# Altium PCB Tracker.PcbDoc (part 2 of 2)
Units mil, origin at the board's own origin, x right, y up, seen from the top; angles counter-clockwise.
Board outline 1769.82 x 1209.03 mil, 4 copper layers (Top Layer, Int1 (GND), Int2 (PWR), Bottom Layer), stack 53.912 mil thick; 87 components, 60 nets, 305 pads, 203 vias.
Unrouted connection lines stored in the file: 5.
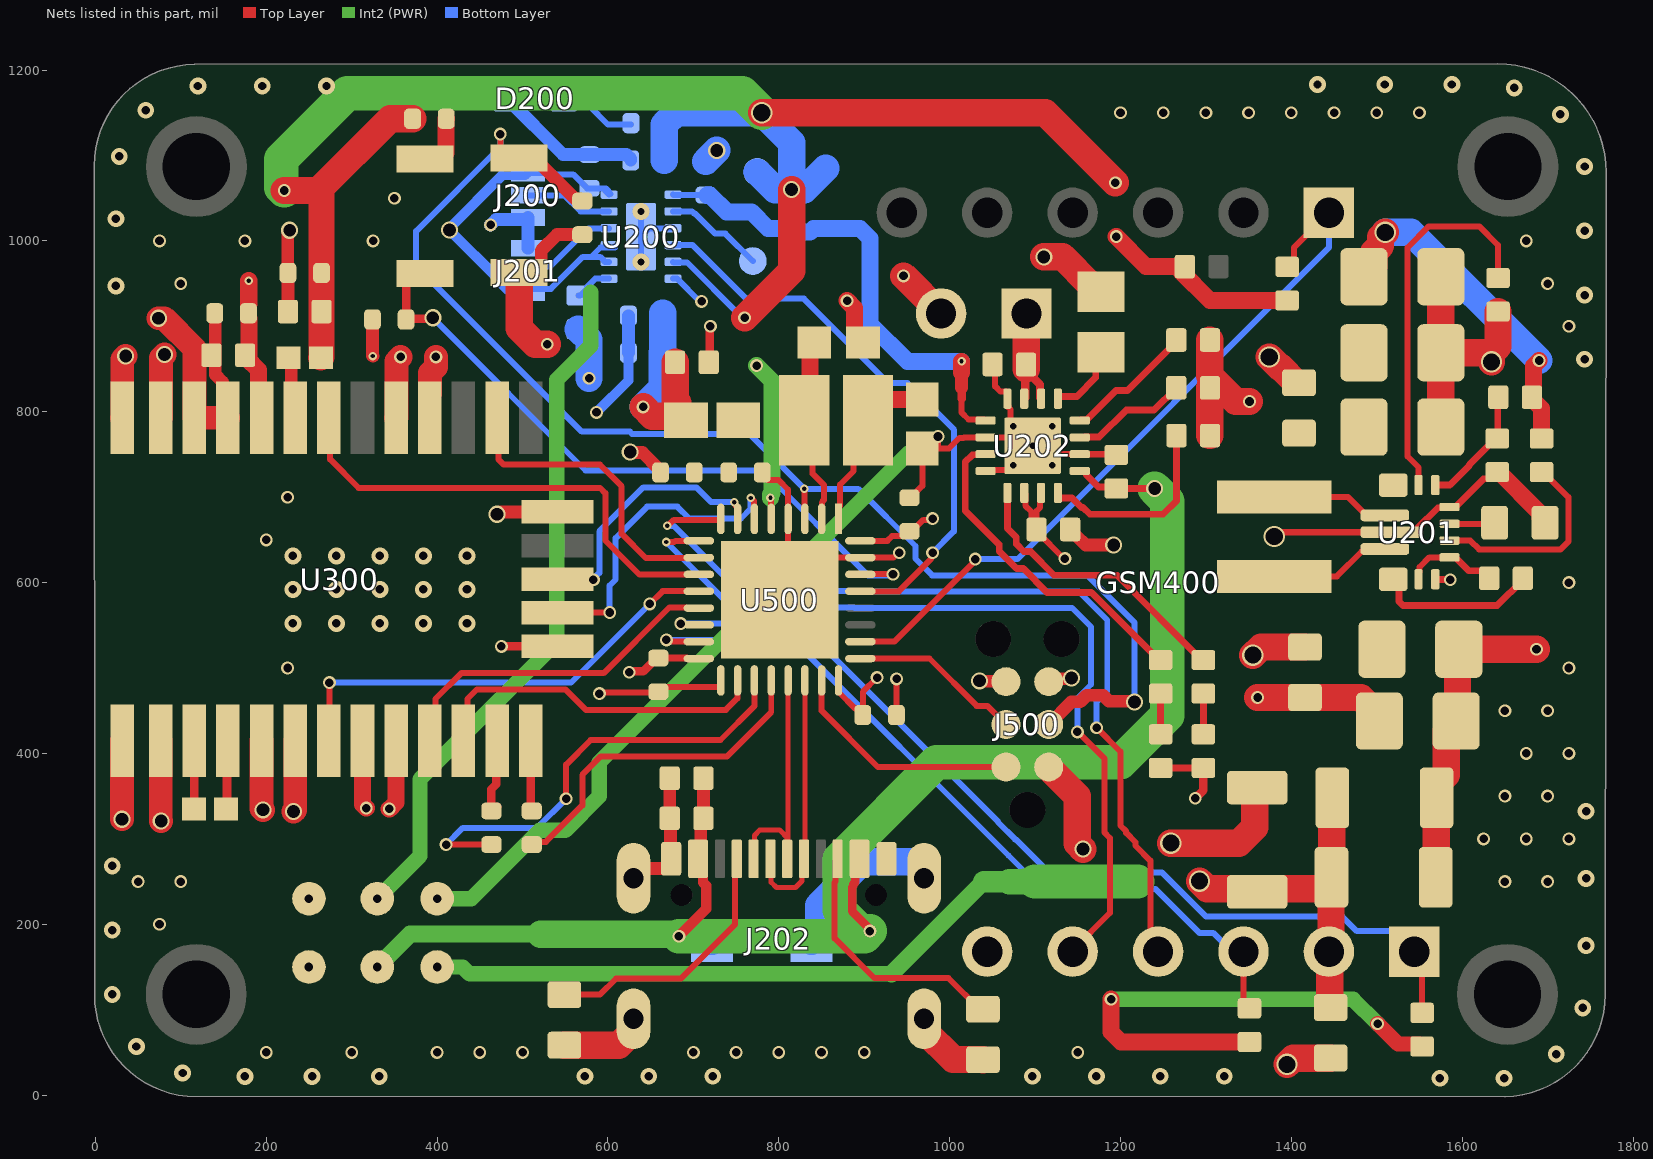
[diagram p4: the nets of this part, all layers, seen from the top]

## Via types
v1: diameter 15, hole 10, Top Layer to Bottom Layer, 104 vias
v2: diameter 19.68, hole 9.84, Top Layer to Bottom Layer, tented both sides, 38 vias
v3: diameter 20, hole 15, Top Layer to Bottom Layer, 21 vias
v4: diameter 20, hole 10, Top Layer to Bottom Layer, 15 vias
v5: diameter 10, hole 5, Top Layer to Bottom Layer, 9 vias
v6: diameter 25, hole 20, Top Layer to Bottom Layer, 9 vias
v7: diameter 19.68, hole 7.87, Top Layer to Bottom Layer, 7 vias

## Nets (pads, with @x,y where several pads share a name; then routed paths per layer and width w, separated by ;. In a path a pad name is that pad's centre, name@x,y a point inside that pad or via, vN(x,y) a via of type N, cw(c..) or ccw(c..) an arc to the next point about the centre after c; other vN are vias at no path point) (continued)
GND: BT200.2 C200.1 C201.1 C202.1 C203.2 C204.2 C205.2 C206.2 C207.2 C208.1 C209.1 C210.1 C211.1 C212.1 C213.1 C214.1 C215.1 C216.2 C217.2 C300.2 C301.1 C302.2 C303.1 C400.1 C401.1 C402.1 C403.1 C500.2 C501.2 C502.2 C503.1 C504.2 C505.2 C506.2 C507.2 C508.2 D200.K D201.2 GND.1 GSM400.6 J200.3 J201.3 J202.A1B12 J202.B1A12 J202.SH J500.5 J500.6 R204.1 R207.1 R209.1 R210.2 R212.1 R213.1 R214.1 R501.1 RT200.2 S501.1 U200.3 U200.13 U201.4 U201.10 U201.15 U202.4 U202.6 U202.8 U202.14 U202.17 U300.4 U300.5 U300.10 U300.11 U300.12 U300.13 U300.14 U300.15 U300.18 U300.19 U300.21 U300.22 U300.27 U300.31 U500.4 U500.16 U500.31 U500.33 | length 5445.2
  Top Layer w7: C508.2@780.68,726 786.68,720 799.87,720 810.83,709.04 U500.4@810.84,674.54 U500.33@810.84,589.84 ; U500.33@801,580 U500.33@810.84,589.84 ; C507.2@937.68,445 937.82,445.13 937.82,487.05 v1(937.95,487.18) ; v1(941,634.93) 939.93,634.93 934.21,629.21 U500.31@895.54,629.21 850.21,629.21 U500.33@810.84,589.84 ; C504.2@953,699.37 954.2,699.37 968,713.17 C501.2@968,757 C501.2@986.35,757 ; v1(986.35,771) C501.2@986.35,757 ; U202.8@1042.05,730.64 1049.39,730.64 1050.36,731.61 1068.61,731.61 v7(1074.33,737.33) ; C217.2@1050.31,850 1053.19,847.13 1053.19,829.82 1059.57,823.44 1066.41,823.44 1067.64,822.21 1067.64,808.2 1068.86,806.97 1068.86,805.11 1071.1,802.87 1071.1,799.87 1071.34,799.64 1071.34,785.99 v7(1074.33,783) ; v7(1097.17,760.17) 1087.32,770.01 U202.6@1042.05,770.01 1041.55,770.5 1034,770.5 1033.73,770.24 1033.73,770.01 1016.77,770.01 1016.23,769.47 1011.47,769.47 999,757 C501.2@986.35,757 ; U202.17@1120,743.59 1126.74,750.32 U202.14@1152.29,750.32
  Top Layer w8: C506.2@659,511.68 692.15,511.68 692.73,511.1 U500.16@706.46,511.1 ; U202.14@1152.29,750.32 1194.38,750.32 C215.1@1195.17,749.54 ; v6@1376,655 1379,655 v6(1380,654) 1384.6,654 1389.6,659 U201.10@1516.38,659 1544.92,659 1547.81,661.89 1547.81,663.93 1571.49,687.61 1577.46,687.61 1578.39,688.53 U201.4@1585.28,688.53 1592.17,688.53 1625.14,721.5 1633.19,721.5 R204.1@1641,729.32 ; U201.15@1568.54,603.88 1568.81,603.61 1585.73,603.61 v1(1586,603.35)
  Top Layer w10: v1(475.26,525.26) U300.27@541.01,525.26 ; v1(625,495) 625.96,495.96 641.3,495.96 657.03,511.68 C506.2@659,511.68 ; C503.1@718,858 719,859 719,899 v1(720,900)
  Top Layer w11.81: C217.2@1050.36,861.48 C217.2@1051.15,860.69
  Top Layer w15: C302.2@140.32,909 140.32,843.57 148.9,834.98 148.9,799.26 U300.10@155.18,792.98 ; C301.1@225.32,915 C300.2@225.32,961.15 ; C300.2@225.39,966.75 225.24,966.91 225.24,1008.93 227.44,1011.14 v3(227.44,1012.49) ; R501.1@324.32,908 324.32,865.65 v5(324.8,865.16) ; v3(470,680) 471.35,680 474.09,682.74 U300.31@541.01,682.74 ; S501.1@496,963.07 513.72,963.07 521.96,971.32 521.96,989.04 540.24,1007.32 C502.2@570,1007.32 ; v3(626.01,752.79) 626.59,752.21 640.39,752.21 659.29,733.31 659.29,731.34 C505.2@661.63,729 ; J202.SH@629.92,253.96 J202.SH@629.92,253.96 641.18,265.28 669.7,265.28 674.02,269.59 J202.A1B12@674.02,276.6 673.17,277.45 673.17,323.15 C213.1@672.32,324 C214.1@672.32,371 ; v3(1035,485) 1035.5,484.5 1065.5,484.5 J500.6@1066,484 ; J500.5@1116,484 1119.53,487.53 1140.52,487.53 1141.47,488.48 v3(1142.83,488.48) ; C216.2@1141.17,662.17 1141.17,660.2 1145.48,655.89 1147.45,655.89 1159.33,644 v3(1192,644)
  Top Layer w20: U300.21@312.66,415.02 312.66,340.34 v1(317,336) ; v1(344,335) 344.5,335 352.03,342.53 U300.22@352.03,415.02 ; v1(880,930) 888.76,921.24 888.76,889.86 897.63,881 C500.2@898.58,881 ; R204.1@1642.97,729.32 1691.31,680.98 1691.31,675.75 C212.1@1697.06,670
  Top Layer w28: v3(31,323) 31.17,323.17 U300.14@31.17,415.02 ; U300.13@31.17,792.98 31.39,793.2 31.39,861.11 v3(35.43,865.16) ; v3(73.82,909.45) 80.55,909.45 115.81,874.19 U300.11@115.81,792.98 U300.10@155.18,792.98 ; U300.15@76.44,415.02 76.44,321.56 v3(77,321) ; U300.12@76.44,792.98 76.66,793.2 76.66,863.08 v3(80.71,867.13) ; U300.18@194.55,415.02 194.55,335.45 v3(196,334) ; v3(232,332) 233.92,333.92 U300.19@233.92,415.02 ; U300.5@352.03,792.98 352.25,793.2 352.25,859.14 v1(357.28,864.17) ; U300.4@391.62,821.3 391.62,845.48 398.62,852.48 v1(398.62,864.17)
  Top Layer w32: S501.1@496,963.07 496,897.75 514.75,879 v1(529,879) ; R213.1@549,58.47 612.75,58.47 629.92,75.64 J202.SH@629.92,89.4 ; v1(946,959) BT200.2@990,915 ; J202.SH@970.08,89.4 970.08,75.64 1004,41.72 1038.75,41.72 R212.1@1039,41.47 ; v3(1110.24,981.3) 1132.2,981.3 1165.44,948.06 1169.38,948.06 RT200.2@1177,940.43 ; v6(1259,295) 1338.25,295 1357,313.75 1357,357.05 C402.1@1360,360.05 ; R210.2@1304.69,828 1304.68,772.33 R207.1@1304.85,772.17 ; R209.1@1304.68,884 1304.68,842.32 1335,812 v1(1351,812) ; v6(1355,515) 1364.53,524.53 C202.1@1416,524.53 ; v6(1374.17,864.17) 1386.33,852 1387.57,852 C208.1@1405.31,834.25 ; v6(1395,36) 1402.22,43.22 1445.75,43.22 C403.1@1446,43.47 ; C401.1@1569.02,255 1569.52,255.5 1569.52,363.25 1581.44,375.17 1581.44,426.44 C201.1@1593,438 1594.5,439.5 1594.5,520.5 C200.1@1596,522 v1(1687,522) ; C209.1@1575,782 C210.1@1575,869 ; C211.1@1575,958 C210.1@1575,869 ; v6(1634.36,858.36) v6@1634.36,869 ; R214.1@1642,917.32 1642,876.44 1634.56,869 v6@1634.36,869 ; C210.1@1575,869 v6@1634.36,869
  Bottom Layer w7: v7(638.78,975.39) U200.13@638.78,1004.92 ; v7(638.78,1034.45) U200.13@638.78,1004.92 ; U200.3@676.18,1014.76 648.62,1014.76 U200.13@638.78,1004.92
  Bottom Layer w12: v1(586.61,799.21) 624.02,836.61 C205.2@624.02,869.09
  Bottom Layer w15: v1(462.6,1018.7) 469.1,1025.21 504.3,1025.21 J200.3@506.4,1027.31 J201.3@506.4,991.34 ; D200.K@481.54,1167 547.54,1100.99 C203.2@578.4,1100.99 621.87,1100.99 626.72,1096.15 C206.2@626.72,1094.31 ; C205.2@624.02,869.09 C207.2@624.02,912.4
  Bottom Layer w32: C204.2@714.4,1092.99 v3(727.41,1106) ; D201.2@838.07,180 838.66,180 846.68,188.02 846.68,222.04 897.71,273.07 966.67,273.07 970.08,269.67 J202.SH@970.08,253.96
  other v1: 200,50 300,50 400,50 450,50 500,50 700,50 750,50 800,50 850,50 900,50 1150,50 250,150 75,200 50,250 100,250 1650,250 1700,250 1625,300 1675,300 1725,300 1650,350 1700,350 1675,400 1725,400 1650,450 1700,450 225,500 1725,500 1725,600 200,650 225,700 1725,900 100,950 1700,950 75,1000 175,1000 325,1000 1675,1000 350,1050 1200,1150 1250,1150 1300,1150 1350,1150 1400,1150 1450,1150 1500,1150 1550,1150
  other v2: 1573.86,19.68 1649.11,19.68 175,21.89 253.67,21.89 332.33,21.89 573,22.12 647.84,22.12 722.69,22.12 1096.91,22.12 1171.75,22.12 1246.59,22.12 1321.44,22.12 102.12,25.89 1710.11,48 48,56.89 1741.11,102.12 19.68,117.89 1745.11,175 19.68,193.14 1745.11,253.67 19.68,268.39 1745.11,332.33 1743.32,861.36 1743.32,936.61 24,947.33 1743.32,1011.86 24,1026 1743.32,1087.11 28,1098.89 1715,1148.11 59,1153 1660.88,1179.11 120,1181.32 195.25,1181.32 1430.67,1183.11 1509.33,1183.11 1588,1183.11
  other v4: 231.09,552.24 282.09,552.24 333.06,552.24 384.03,552.24 435,552.24 231.09,592 282.09,592 333.06,592 384.03,592 435,592 231.09,631.37 282.09,631.37 333.06,631.37 384.03,631.37 435,631.37
  other v7: 1120,737.33 1120,783
GPS_FIX: U300.2 U500.10 | length 365
  Top Layer w7: U300.2@470.14,792.98 471.59,791.53 471.59,744.25 477.85,738 590.73,738 616,712.73 616,657.13 644.6,628.53 685.22,628.53 685.57,628.88 706.13,628.88 U500.10@706.46,629.21
GPS_FON: U300.28 U500.6 | length 374.1
  Top Layer w7: U300.28@541.01,564.63 541.38,565 v1(602,565) ; v5@767.23,699.14 771.14,695.23 771.14,674.87 U500.6@771.47,674.54
  Bottom Layer w7: v1(602,565) 602,596.58 609,603.58 609,652.13 645.85,688.98 681.28,688.98 695.16,675.1 755.75,675.1 766.88,686.23 766.88,698.81 v5(767.23,699.16)
GPS_GEO: U300.24 U500.18 | length 408
  Top Layer w7: U300.24@430.77,415.02 435.38,419.63 435.38,463.75 446.63,475 550,475 574.03,450.97 737.97,450.97 751.45,464.45 751.45,485.13 U500.18@751.79,485.46
GPS_INT: U300.7 U500.11 | length 569.3
  Top Layer w7: U300.7@273.29,792.98 274.75,791.52 274.75,744.25 308,711 590.73,711 597,704.73 597,649.26 636.73,609.53 U500.11@706.46,609.53
GPS_JAM: U300.20 U500.12 | length 545.1
  Top Layer w7: U300.20@273.29,415.02 274,415.73 v1(274,483) ; v1(649,575) 663.98,589.98 706.33,589.98 U500.12@706.46,589.84
  Bottom Layer w7: v1(274,483) 557,483 v1(649,575)
GPS_PPS: U300.29 U500.7 | length 309.2
  Top Layer w7: U300.29@541.01,604 582.35,604 v1(583,603.35) ; v5@748,694.1 748.45,693.65 748.45,691.4 749.27,690.59 749.27,690.23 751.79,687.71 U500.7@751.79,674.66
  Bottom Layer w7: v1(583,603.35) 583,604.45 590,611.45 590,660 641.5,711.5 703.51,711.5 720.91,694.1 v5(747.88,694.1)
GPS_RST: U300.23 U500.13 | length 404.7
  Top Layer w7: U300.23@391.4,415.02 398.02,421.64 398.02,463.75 428.27,494 595.01,494 671.99,570.98 691.64,570.98 692.46,570.16 U500.13@706.46,570.16
GPS_RXD: R303.1 U500.19 | length 535.5
  Top Layer w7: v1(410.43,293.31) R303.1@463.58,293.31 ; v1(551,347) 551,386.9 579.79,415.69 731.72,415.69 771.47,455.44 U500.19@771.47,485.46
  Bottom Layer w7: v1@409.87,292.74 430.12,312.99 516.99,312.99 v1(551,347)
GPS_TXD: R301.1 U500.20 | length 401.9
  Top Layer w7: R301.1@510.83,295.28 511.99,296.44 527.31,296.44 570,339.13 570,374.93 591.76,396.69 739.59,396.69 791.16,448.25 U500.20@791.16,485.46
GPS_VDD: R300.1 U300.8 | length 73.2
  Top Layer w15: R300.1@226.16,863 229.34,859.82 229.34,797.56 U300.8@233.92,792.98
GSM_NET: GSM400.1 R502.2 U500.14 | length 1115.4
  Top Layer w7: v1(685.25,551.98) 686.42,550.81 706.13,550.81 U500.14@706.46,550.47 ; GSM400.1@1544,168 1553,159 R502.2@1553,96.37
  Bottom Layer w7: v1(685.25,551.98) 824.99,551.98 1056.5,320.47 1056.5,319.71 1076.71,299.5 1077.47,299.5 1116.14,260.83 1248.33,260.83 1300.19,208.96 1459.65,208.96 1476.68,191.93 1520.07,191.93 GSM400.1@1544,168
GSM_RING: GSM400.7 R504.2 U500.26 | length 865.2
  Top Layer w7: U500.26@895.54,530.79 935.2,530.79 1030,625.59 v1(1030,627.51) ; R504.2@1395,969.69 1403,977.68 1403,992 GSM400.7@1444,1033
  Bottom Layer w7: v1(1030,627.51) 1079.38,627.51 1444,992.13 GSM400.7@1444,1033
GSM_RST: GSM400.3 R5.2 U500.15 | length 934.9
  Top Layer w7: v1(668.47,532.98) v1(668.47,532.98) 672.16,533.03 674.01,531.18 706.07,531.18 U500.15@706.46,530.79 ; GSM400.3@1344,168 1344,108.69 R5.2@1351,101.69
  Bottom Layer w7: v1(668.47,532.98) 816.36,532.98 1068.84,280.5 1068.91,280.5 1108.27,241.14 1241.14,241.14 1292.32,189.96 1308.49,189.96 1330.45,168 GSM400.3@1344,168
GSM_RXD: GSM400.4 U500.8 | length 1050.3
  Top Layer w7: v5(669.29,666.53) 670.1,666.53 677.08,673.5 731.29,673.5 731.29,673.72 U500.8@732.1,674.54 ; v1(1172.07,430.12) 1200,402.19 1200,315.48 1206.56,308.92 1206.56,306.98 1217.5,296.04 1217.5,291.95 1235,274.45 1235,177 GSM400.4@1244,168
  Bottom Layer w7: v5(669.29,666.53) 676.86,666.53 753.41,589.98 895.95,589.98 896.42,589.51 1151.16,589.51 1184.5,556.16 1184.5,472.88 1172.07,460.45 v1(1172.07,430.12)
GSM_TXD: GSM400.5 U500.9 | length 998
  Top Layer w7: v5(668.26,647.53) 677.35,647.53 677.7,647.88 678.32,647.88 679.01,648.56 706.13,648.56 U500.9@706.46,648.9 ; GSM400.5@1144,168 1144,169.61 1187.56,213.17 1187.56,301.05 1181,307.61 1181,394.18 1150,425.18 v1(1149.61,425.18)
  Bottom Layer w7: v5(668.26,647.53) 744.81,570.98 888.08,570.98 888.55,570.51 1143.29,570.51 1165.5,548.29 1165.5,480.75 1149.61,464.86 v1(1149.61,425.18)
LS_GPS: U200.4 U500.29 | length 679.6
  Top Layer w7: U500.29@895.54,589.84 940.51,589.84 978.47,627.8 978.47,633.47 v1(980,635)
  Bottom Layer w7: U200.4@676.18,995.08 699.11,995.08 761.7,932.49 829.28,932.49 928.27,833.5 950.72,833.5 1005.35,778.87 1005.35,763.13 1005,762.78 1005,660 v1(980,635)
MCU_BOOT0: R501.2 S500.1 U500.30 | length 804.6
  Top Layer w7: U500.30@895.54,609.53 895.87,609.86 v1(933.67,609.86)
  Top Layer w10: S500.1@386,962.07 374.43,962.07 363.68,951.32 R501.2@363.68,908 364.68,909 394,909 v3(395,910)
  Bottom Layer w7: v3(395,910) 573.71,731.29 781.51,731.29 904.29,608.51 932.31,608.51 v1(933.67,609.86)
MCU_NRST: C502.1 J500.3 S501.2 U500.3 | length 1602.1
  Top Layer w7: v1(474,1125) 474,1109.18 486.25,1096.93 S501.2@496,1096.93 ; v5(829.83,709.83) 830.19,709.47 830.19,674.87 U500.3@830.53,674.54
  Top Layer w15: S501.2@496,1096.93 513.72,1096.93 561.62,1049.03 567.66,1049.03 C502.1@570,1046.68 ; J500.3@1116,434 1116.29,434 1142.82,460.53 1152.95,460.53 1160.45,468.03 1179.5,468.03 1186.54,460.99 1215.54,460.99 v3(1216.5,460.04)
  Bottom Layer w7: v1(474,1125) 474,1110 375.5,1011.5 375.5,970.51 569.35,776.66 625.65,776.66 628.12,774.18 765.48,774.18 v5(829.83,709.83) 892.97,709.83 960,642.81 960,628.13 979.62,608.51 1161.17,608.51 1216.5,553.18 v3(1216.5,460.04)
MCU_OSC_IN: C501.1 U500.1 Y500.2 | length 206.1
  Top Layer w7: U500.1@869.9,674.54 870.78,675.42 870.78,688.94 871.67,689.83 871.67,714.67 887.45,730.45 887.45,773.05 Y500.2@904.4,790
  Top Layer w20: Y500.2@904.4,790 904.4,794.63 923.93,814.15 C501.1@968,814.15
MCU_OSC_OUT: C500.1 U500.2 Y500.1 | length 223.8
  Top Layer w7: Y500.1@829.6,790 839.59,780.01 839.59,727.41 852.67,714.33 852.67,696.8 850.9,695.03 850.9,694.22 850.55,693.87 850.55,674.87 U500.2@850.21,674.54
  Top Layer w20: Y500.1@829.6,790 836.51,796.91 836.51,875.09 C500.1@843.42,882
MCU_SWCLK: J500.4 U500.25 | length 202.4
  Top Layer w7: U500.25@895.54,511.1 976.37,511.1 1031.67,455.8 1044.2,455.8 J500.4@1066,434
MCU_SWDIO: J500.2 U500.23 | length 278.6
  Top Layer w7: U500.23@850.21,485.46 850.21,449.98 916.2,384 J500.2@1066,384
NetC212_2: C212.2 U201.3 | length 51.6
  Top Layer w7: U201.3@1585.28,668.84 C212.2@1636.84,668.84
NetD200_1: D200.A R201.2 | length 91
  Bottom Layer w7: D200.A@548.46,1167 556.78,1158.69 577.56,1158.69 599.94,1136.31 R201.2@626.72,1136.31
NetD202_A: D202.A R206.1 | length 47.6
  Top Layer w8: R206.1@1297,422.37 D202.A@1297,470
NetD202_K: D202.K U202.9 | length 339.4
  Top Layer w8: U202.9@1067.64,705.05 1067.64,663.22 1077.98,652.88 1077.98,645.14 1086.74,636.39 1094.48,636.39 1122.27,608.59 1195.81,608.59 1295.03,509.37 D202.K@1297,509.37
NetD203_A: D203.A R208.1 | length 47.6
  Top Layer w8: R208.1@1247,422.37 D203.A@1247,470
NetD203_K: D203.K U202.7 | length 390.2
  Top Layer w8: U202.7@1042.05,750.32 1034.96,750.32 1034.23,749.6 1026.6,749.6 1018.23,741.23 1018.23,684.34 1057.98,644.59 1057.98,636.86 1078.46,616.39 1086.19,616.39 1113.99,588.59 1165.81,588.59 1245.03,509.37 D203.K@1247,509.37
NetJ200_2: J200.2 U200.11 | length 102.8
  Bottom Layer w7: J200.2@506.4,1053.34 548.95,1053.34 567.84,1034.45 U200.11@601.38,1034.45
NetJ201_2: J201.2 U200.10 | length 115.5
  Bottom Layer w7: J201.2@506.4,965.31 517.9,965.31 522.59,969.99 532.41,969.99 577.18,1014.76 U200.10@601.38,1014.76
NetL201_1: L201.1 U201.11 | length 142.9
  Top Layer w7: L201.1@1380,607 1380.33,607.33 1453.33,607.33 1482.19,636.19 1506.36,636.19 U201.11@1509.49,639.32
NetL201_2: L201.2 U201.9 | length 138.4
  Top Layer w7: L201.2@1380,700.31 1466.21,700.31 1487.83,678.68 U201.9@1509.49,678.68
NetR200_1: R200.1 U200.7 | length 45.3
  Bottom Layer w7: R200.1@565.4,935.99 567.37,935.99 575.68,944.3 575.68,946.27 585.12,955.71 U200.7@601.38,955.71
NetR202_1: R202.1 R204.2 U201.5 | length 144.5
  Top Layer w8: U201.5@1568.54,714.12 1585.46,714.12 1608.34,737 1608.34,738 1639.03,768.69 R204.2@1641,768.69 1641.66,769.34 1641.66,816.34 R202.1@1642.32,817
NetR203_2: R203.2 U201.2 | length 242.6
  Top Layer w7: U201.2@1585.28,649.16 1609.45,649.16 1619.79,638.81 1715.26,638.81 1724.3,647.86 1724.3,699.98 1694.97,729.31 R203.2@1693,729.31
NetR205_2: R205.2 U201.1 U201.14 | length 111.7
  Top Layer w7: U201.14@1548.86,603.88 1548.86,610.77 1550.28,612.19 1550.28,618.24 1561.51,629.47 U201.1@1585.28,629.47
  Top Layer w8: U201.1@1585.28,629.47 1592.17,629.47 1607.82,613.82 1623.82,613.82 1631.63,606.01 R205.2@1631.63,605
NetR207_2: R207.2 U202.12 | length 235.4
  Top Layer w8: U202.12@1126.69,705.05 1127.42,704.32 1127.42,699 1143.42,699 1154.47,687.94 1156.22,687.94 1164.16,680 1250,680 1265.48,695.48 R207.2@1265.48,772.17
NetR209_2: R209.2 U202.16 | length 153.2
  Top Layer w8: U202.16@1152.29,789.69 1153.01,790.42 1160.1,790.42 1194.68,825 1208.28,825 1265.31,882.03 R209.2@1265.31,884
NetR210_1: R210.1 U202.15 | length 131.2
  Top Layer w8: U202.15@1158,770.32 1175.12,770.32 1206.8,802 1239.32,802 R210.1@1265.32,828
NetR214_2: R214.2 U201.6 | length 447.2
  Top Layer w7: U201.6@1548.86,714.12 1548.86,734.89 1535.94,747.81 1535.94,992.19 1560.75,1017 1620,1017 1642,995 R214.2@1642,956.69
NetR301_2: R301.2 U300.26 | length 83
  Top Layer w10: R301.2@509.51,332.02 U300.26@509.51,415.02
NetR302_1: R302.1 U300.17 | length 81
  Top Layer w10: R302.1@152.84,335 154.01,336.17 154.01,413.85 U300.17@155.18,415.02
NetR302_2: R302.2 U300.16 | length 80.3
  Top Layer w10: R302.2@115.16,335 115.48,335.33 115.48,414.7 U300.16@115.81,415.02
NetR303_2: R303.2 U300.25 | length 93.6
  Top Layer w10: R303.2@470.14,337.52 465.3,332.68 R303.2@463.58,332.68 463.58,358.32 469.44,364.17 469.44,414.32 U300.25@470.14,415.02
NetR500_2: R500.2 S500.2 | length 67.7
  Top Layer w20: S500.2@386,1095.93 403.72,1095.93 410.53,1102.74 410.53,1142.84 R500.2@410.68,1143
NetRT200_1: RT200.1 U202.1 | length 87.8
  Top Layer w8: U202.1@1126.69,815.29 1126.69,817.28 1127.42,818 1149,818 1171,840 1171,863.57 RT200.1@1177,869.57
PWR_SYS: +3.4V.1 C200.2 C201.2 C202.2 C203.1 C204.1 C216.1 J200.1 J201.1 R205.1 R206.2 R208.2 U200.1 U200.8 U200.9 U200.12 U201.12-13 U202.5 U202.10 U202.11 | length 2445.3
  Top Layer w7: 1014,815 1014,799 1022.08,790.92 1040.82,790.92 U202.5@1042.05,789.69 ; U202.10@1087.32,705.05 1088.55,703.82 1088.55,690.1 1096,682.65 1096,667.96 C216.1@1101.8,662.17 ; U202.11@1107.01,705.05 1105.78,703.82 1105.78,687.78 1101.8,683.8 C216.1@1101.8,662.17 ; v1(1135,628.09) 1133.9,628.09 1101.8,660.2 C216.1@1101.8,662.17
  Top Layer w8: R208.2@1247,383 R206.2@1297,383 ; U201.12-13@1519.33,603.88 1526,597.21 1526,577.69 1530.69,573 1640.97,573 1671,603.03 R205.1@1671,605
  Top Layer w10: 1014,815 1014,828 ; v1(1287.57,347.57) 1297,357 R206.2@1297,383
  Top Layer w15: 1014,828 1014,846
  Top Layer w20: 1014,846 v5(1014,859)
  Top Layer w32: v1(1360.47,465.47) C202.2@1416,465.47 1481.43,465.47 1503,443.91 C201.2@1503,438
  Int2 (PWR) w18: v1(400,230) 440,230 520,310 550,310 590,350 590,390 951.33,751.33
  Bottom Layer w7: J201.1@506.4,939.31 511.06,943.96 533.25,943.96 570.58,981.3 580.71,981.3 ; J200.1@506.4,1079.34 536.67,1079.34 538.02,1077.99 559.29,1077.99 575.66,1061.62 C203.1@578.4,1061.62 597.56,1061.62 600.71,1058.47 600.71,1055.56 602.13,1055.56 U200.12@602.95,1054.73 ; U200.12@596.46,1059.06 U200.12@601.38,1054.13 ; U200.8@601.38,975.39 596.46,975.39 595.04,976.82 595.04,977.2 590.93,981.3 580.71,981.3 ; U200.9@608,992.32 591.32,992.32 580.71,981.71 580.71,981.3 ; U200.1@676.18,1054.13 676.69,1053.62 C204.1@714.4,1053.62
  Bottom Layer w10: 472.72,953.45 473.72,952.45 473.72,950.08 481.33,942.46 491.72,942.46 494.87,939.31 J201.1@506.4,939.31 ; 475.79,1076.18 503.24,1076.18 J200.1@506.4,1079.34
  Bottom Layer w12: v3(414.37,1012.8) 472.72,954.45 472.72,953.45 ; v3@415.35,1015.75 475.79,1076.18
  Bottom Layer w20: C204.1@716.21,1053.46 719.52,1053.46 738.98,1034 767.91,1034 787.41,1014.5 815.5,1014.5 819.74,1010.26 836.31,1010.26 840.56,1014.5 895.12,1014.5 906.83,1002.79 906.83,902.72 950.55,859 v5(1014,859)
SW_LDO: L200.1 U200.2 | length 117.4
  Bottom Layer w7: U200.2@676.18,1034.45 698.54,1034.45 700.71,1032.28 701.68,1032.28 725.46,1008.5 737.5,1008.5 L200.1@769.59,976.42
USB_CC1: J202.A5 R213.2 | length 311.5
  Top Layer w7: R213.2@549,117.53 590.56,117.53 609.36,136.33 685.33,136.33 748.51,199.51 748.51,274.32 J202.A5@750.79,276.6
USB_CC2: J202.B5 R212.2 | length 302.4
  Top Layer w7: J202.B5@868.9,276.6 866.62,274.32 866.62,250.07 865.48,248.93 865.48,183.52 912,137 998.59,137 1035.06,100.53 R212.2@1039,100.53
USB_D_N: J202.A7 J202.B7 U500.21 | length 282.7
  Top Layer w6: J202.B7@770.47,276.6 771.45,277.58 771.45,304.03 777.65,310.24 801,310.24 810.84,300.39 U500.21@810.84,485.46 ; J202.A7@809.84,276.6 809.84,300.39
USB_D_P: J202.A6 J202.B6 U500.22 | length 305.9
  Top Layer w6: J202.A6@790.16,276.6 791.06,275.7 791.06,249.1 797.19,242.96 819.44,242.96 827.1,250.62 827.1,256.96 829.53,259.39 J202.B6@829.53,276.6 830.53,277.6 U500.22@830.53,485.46
V_BAT: BT200.1 C217.1 U202.2 U202.3 | length 142.3
  Top Layer w7: U202.3@1087.32,815.29 U202.3@1088.5,816.47 ; C217.1@1088.39,854.13 C217.1@1089.57,855.32 ; U202.2@1105.78,816.51 U202.2@1107.01,815.29
  Top Layer w9: C217.1@1089.57,853.35 C217.1@1089.57,855.32 ; C217.1@1089.68,848.03 1105.78,831.93 U202.2@1105.78,816.51
  Top Layer w10: U202.3@1088.5,816.47 C217.1@1088.5,848.82
  Top Layer w32: C217.1@1089.68,850 BT200.1@1089.68,914.68
V_GSM: +3.8V.1 C208.2 C209.2 C210.2 C211.2 C400.2 C401.2 C402.2 C403.2 GSM400.2 R202.2 R203.1 U201.7-8 | length 1664.9
  Top Layer w20: v1(1690,860) 1683.5,853.5 1683.5,818.81 R202.2@1681.69,817 1681.69,815.03 1693,803.72 R203.1@1693,768.68
  Top Layer w32: v6(1292.55,250.55) 1301.41,241.69 1356.31,241.69 C402.2@1360,238 1363.69,241.69 1443.29,241.69 1446.49,238.49 1446.49,168 1445,166.51 1445,102.78 1445.25,102.53 C403.2@1446,102.53 ; C401.2@1446.98,255 1447.48,255.5 1447.48,347.5 C400.2@1447.98,348 ; C211.2@1485,958 1496.56,969.56 1496.56,986.56 1504.44,994.44 1504.44,1004.49 v6(1509.97,1010.02)
  Int2 (PWR) w18: v1(400,150) 430,150 438,142 932,142
  Int2 (PWR) w20: 932,142 1040,250
  Int2 (PWR) w25: 1040,250 1070,250
  Int2 (PWR) w30: 1070,250 1090,250
  Int2 (PWR) w32: 1090,250 1100,250
  Int2 (PWR) w40: 1100,250 1220,250
  Bottom Layer w32: v6(1509.97,1010.02) 1540,1010 v1(1690,860)
VBUS: +5V.1 C213.2 C214.2 C215.2 D201.1 J202.A4B9 J202.B4A9 U202.13 | length 1860.1
  Top Layer w8: U202.13@1156,730 1160.01,730 1160.1,729.91 1160.1,725.9 1174.07,711.93 1193.4,711.93 C215.2@1195.17,710.17 1195.25,710.08 1239.92,710.08 v3(1240,710)
  Top Layer w10: J202.B4A9@894.49,276.6 889.4,271.51 889.4,249.21 887.12,246.93 887.12,244.41 885.98,243.27 885.98,215.02 904.18,196.82 904.18,195.93 906.68,193.43 v1(906.68,192.08)
  Top Layer w12: v1@684.53,187.53 715.02,218.02 715.02,245.21 711.2,249.03 711.2,270.92 J202.A4B9@705.51,276.6
  Top Layer w15: J202.A4B9@705.51,276.6 708.6,279.69 708.6,320.91 C213.2@711.69,324 C214.2@711.69,371
  Int2 (PWR) w20: v1(330,150) 368.5,188.5 521.5,188.5
  Int2 (PWR) w32: 521.5,188.5 680.5,188.5 v1(683,186)
  Int2 (PWR) w40: v1(683,186) 900.6,186 v1(906.68,192.08) ; v1@904.48,191.48 896.05,191.48 870.98,216.55 870.98,276.19 984.48,389.68 1199.89,389.68 1254.8,444.6 1254.8,695.19 v3(1240,710)
  Bottom Layer w32: v1(683,186) 715.93,186 D201.1@721.93,180
VDD: +3.3V.1 C205.1 C206.1 C207.1 C300.1 C301.2 C503.2 C504.1 C506.1 C507.1 FB500.1 J500.1 L200.2 R5.1 R200.2 R201.1 R300.2 R500.1 R502.1 R503.2 R504.1 U200.5 U500.17 U500.24 U500.32 | length 3687.7
  Top Layer w7: v1(590,470) 591.16,471.16 657.84,471.16 C506.1@659,472.32 664.47,477.78 671.36,477.78 671.41,477.83 731.29,477.83 732.1,478.64 U500.17@732.1,485.46 ; U500.24@869.9,485.46 869.9,471.94 889.4,452.43 892.08,452.43 C507.1@898.32,446.2 ; U500.32@895.54,648.9 927.03,648.9 932.66,654.53 947.53,654.53 C504.1@953,660 955.74,660 969.21,673.47 978.47,673.47 v1(980,675) ; C507.1@898.32,445 C507.1@898.32,446.2 ; v1(915.01,488.83) 898.32,472.13 C507.1@898.32,446.2
  Top Layer w10: R504.1@1394.84,930.16 R504.1@1395,930.32
  Top Layer w18: v1(1500.98,83.66) 1524.83,59.81 1550.19,59.81 R502.1@1553,57
  Top Layer w20: v1(1188.98,112.2) 1188.98,73.87 1200.69,62.16 1347.22,62.16 1347.38,62.32 R5.1@1351,62.32 ; v1(1195,1005) 1230,970 R503.2@1275.31,970 ; R503.2@1270.03,965.02 1304.89,930.16 R504.1@1394.84,930.16
  Top Layer w30: R300.2@263.84,863 264.68,863.84 264.68,1056.35
  Top Layer w32: v1(221,1059) 261,1059 345,1143 R500.1@371.32,1143 ; v1(641.17,805.68) 652.02,794.83 686.61,794.83 FB500.1@691.45,790 ; C503.2@678.63,858 678.63,813.58 FB500.1@681.74,810.47 ; v1(760,910) 815,965 v3(815,1060) ; v6(780,1150) 1112,1150 v1(1194,1068) ; J500.1@1116,384 1116,383.47 1149.5,349.97 1149.5,294.56 v3(1156.06,288)
  Int2 (PWR) w18: v1(1188.98,112.2) 1472.44,112.2 v1(1500.98,83.66)
  Int2 (PWR) w40: v1(221,1059) 217.57,1062.43 217.57,1095.57 294.84,1172.84 757.16,1172.84 v6(780,1150)
  Bottom Layer w7: U200.5@676.18,975.39 676.87,974.71 692.61,974.71 753.83,913.49 754.34,913.49 757.84,910 v1(760,910)
  Bottom Layer w32: R200.2@565.4,896.62 577.88,884.14 v1(577.88,839.12) ; v1(641.17,805.68) 663.39,827.9 C205.1@663.39,869.09 ; C205.1@664.28,876.69 C207.1@664.28,915.69 ; C206.1@666.09,1094.31 666.09,1136.31 679.78,1150 v6(780,1150) 815,1115 v3(815,1060) ; L200.2@774.75,1080.75 774.9,1080.75 795.65,1060 v3(815,1060) ; 855,1085 830,1060 v3(815,1060)
  other v1: 250,230
  other v2: 270.5,1181.32
VDDA: C505.1 C508.1 FB500.2 U500.5 | length 188
  Top Layer w7: v5(790.23,699.23) 790.23,698.42 790.82,697.83 790.82,674.87 U500.5@791.16,674.54
  Int2 (PWR) w20: v1(774,854) 792,836 792,705 790.23,703.23 v5(790.23,699.23)
VGPS: +3.2V.1 C302.1 C303.2 U200.6 U300.9 | length 1018
  Top Layer w20: C303.2@177.69,862.03 190.77,848.94 190.77,825.3 194.55,821.52 U300.9@194.55,792.98 ; C303.2@177.69,864 179.5,865.81 179.5,871.4 179.68,871.59 C302.1@179.68,909 ; C302.1@179.13,915.35 179.13,926.04 179.45,926.35 v5(179.45,953.35)
  Int2 (PWR) w18: v1(330,230) 380,280 380,370 540,530 540,837.3 580,877.3 580,940
  Bottom Layer w7: U200.6@676.18,955.71 681.1,955.71 707.68,929.13 v1(709.65,929.13)
pads on no net: D200.0 GSM400.9 GSM400.10 GSM400.11 GSM400.12 J202.A8 J202.B8 J202.MH J500.MH U300.1 U300.3 U300.6 U300.30 U500.28

## Polygon pours and split planes (outlines as drawn)
GND on Top Layer "GND_L02_P-001" (solid, remove dead copper, pour order 26): 105,5 cw(c126.41,126.41) 5,105 5,460 180,460 180,750 5,750 5,1100 cw(c126.41,1078.59) 105,1200 1660,1200 cw(c1638.59,1078.59) 1760,1100 1760,105 cw(c1638.59,126.41) 1660,5
V_GSM on Top Layer "GND_L02_P-001" (solid, remove dead copper, pour order 1): 1533,696 ccw(c1531.38,704.44) 1538.49,699.61 ccw(c1532.27,704.2) 1540,704.41 1540,727 ccw(c1532.76,727) 1537.88,732.12 1522,748 cw(c1526.83,752.83) 1520,752.83 1520,992 ccw(c1503.11,992) 1515.05,1003.95 1515,1004 ccw(c1505.35,994.35) 1505.35,1008 1456.1,1008 ccw(c1456,995.94) 1447.46,1004.46 1445,1002 ccw(c1461.9,985.1) 1438,985.1 1438,809 cw(c1416.27,830.72) 1416.27,800 1384.66,800 ccw(c1384.65,786.35) 1375,796 ccw(c1379.82,791.17) 1373,791.17 1373,757 ccw(c1387.48,757) 1377.24,746.76 1378,746 ccw(c1411.8,779.8) 1411.8,732 1481.51,732 cw(c1481.52,711.52) 1496,726 cw(c1493.59,723.59) 1497,723.59 1497,704 ccw(c1504.24,704) 1499.12,698.88 1501,697 ccw(c1503.41,699.41) 1503.41,696
PWR_SYS on Top Layer "GND_L02_P-001" (solid, remove dead copper, pour order 6): 1533,623 1537,619 1537,552 1537,404 1529,396 1474,396 1466,404 1466,551 1486,571 1493,571 1499,577 1499,618 1504,623
VDDA on Top Layer "GND_L02_P-001" (solid, remove dead copper, pour order 12): 755,714.26 755,760.5 782,760.5 784,872.5 740,872.5 740,823 727,823 727,759 687,759 687,713.76
VDD on Int2 (PWR) "VDD_L02_P-001" (solid, remove dead copper, pour order 24): 117.99,90 118.11,400 250,400 250,815 118.11,815 118.11,1087 1670,1087 1670,90
PWR_SYS on Int2 (PWR) "PWR_SYS_L02_P-001" (solid, remove dead copper, pour order 15): 400,917.5 863.33,917.5 930,850.83 930,730.63 1274.79,330 1460,330 1460,685 1335,685 991.87,1088.13 400,1088
VGPS on Int2 (PWR) "VGPS_L02" (solid, remove dead copper, pour order 14): 215,745 160,745 160,970 725,970 725,905 215,905 215,880
V_GSM on Int2 (PWR) "V_GSM_L02" (solid, remove dead copper, pour order 16): 1589.69,140 1210,140 1210,1035 1590.2,1035
GND on Bottom Layer "GND_L02_P-001" (solid, remove dead copper, pour order 32): 105,5 cw(c126.41,126.41) 5,105 5,460 180,460 180,750 5,750 5,1100 cw(c126.41,1078.59) 105,1200 1660,1200 cw(c1638.59,1078.59) 1760,1100 1760,105 cw(c1638.59,126.41) 1660,5
GND on Int1 (GND) "GND_L02_P-001" (solid, remove dead copper, pour order 13): 105,5 cw(c126.41,126.41) 5,105 5,460 180,460 180,750 5,750 5,1100 cw(c126.41,1078.59) 105,1200 1660,1200 cw(c1638.59,1078.59) 1760,1100 1760,105 cw(c1638.59,126.41) 1660,5

## Silkscreen, mask and mechanical layers (free items; w line width, h text height)
Top Overlay:
  lines w1: 288,928 295,934 ; 793.31,868.11 797.24,856.3 ; 788.39,856.3 797.24,856.3 ; 788.39,856.3 796.26,859.25 788.39,856.3 ; 788.39,856.3 804.13,862.2 797.24,856.3 ; 797.24,856.3 795.28,862.2 797.24,856.3
Mechanical 6:
  lines w3: 115.36,0 1649,0 ; 116.06,1205 1641.71,1205.71 cw(c1641.71,1080.44) 1766.98,1080.44 1766.52,110.52 cw(c1655,110.52) 1655,-1 ; 117.05,1205 ccw(c117.05,1088.13) 0.18,1088.13 0.47,117.71 ccw(c118.47,117.71) 118.47,-0.29

## Text inside footprints (layer, text, board x,y; h text height)
BT200: Bottom Overlay "+" at 1159,869 h20
J200: Bottom Overlay "3" at 467.52,1040.35 h20 r90; Bottom Overlay "2" at 467.52,1062.01 h20 r90; Bottom Overlay "1" at 467.52,1083.66 h20 r90
J201: Bottom Overlay "1" at 462.9,939.27 h20 r90; Bottom Overlay "2" at 468.5,970.47 h20 r90; Bottom Overlay "3" at 455.71,991.14 h20 r270